# Altium PCB module_base.PcbDoc (part 2 of 4)
Units mil, origin at the board's own origin, x right, y up, seen from the top; angles counter-clockwise.
Board outline 3464.57 x 2795.28 mil, 4 copper layers (Top Layer, L2_GND, L3_PWR, Bottom Layer), stack 61.811 mil thick; 147 components, 144 nets, 753 pads, 600 vias.
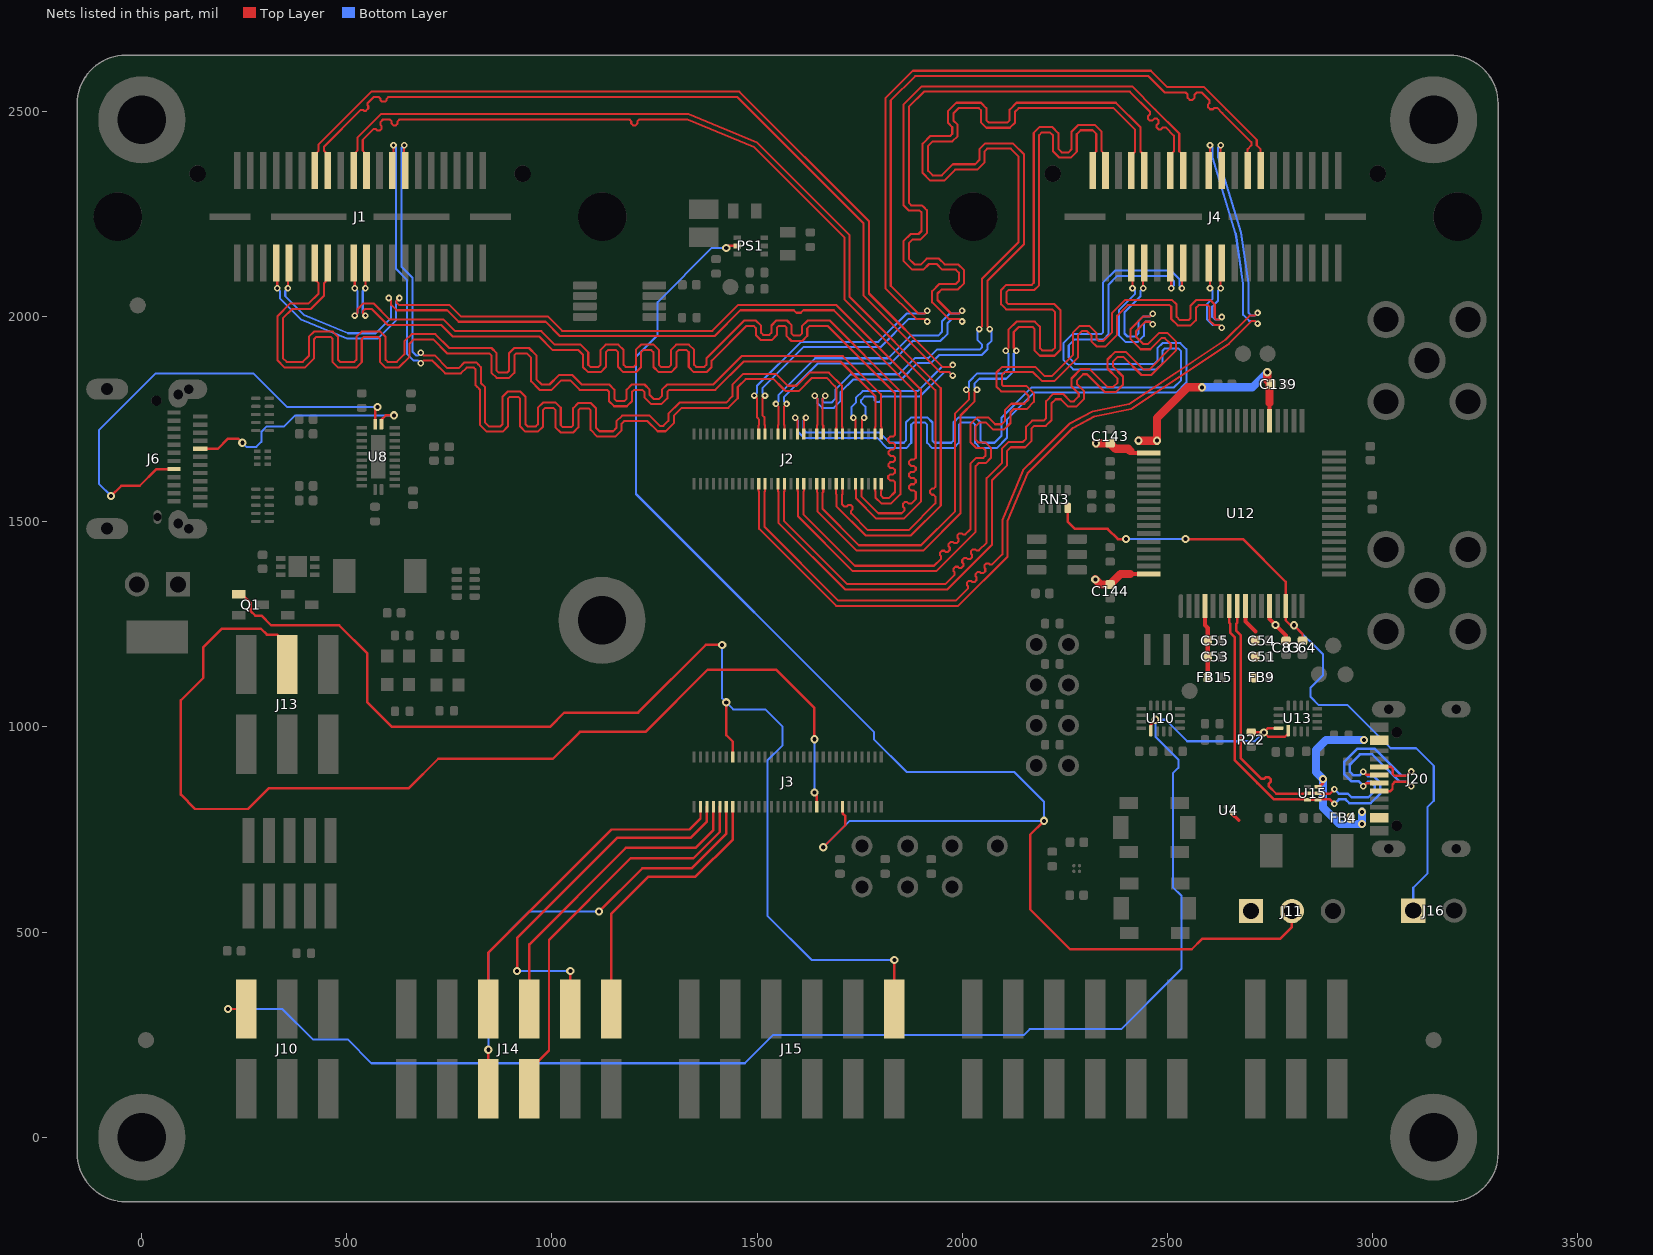
[diagram p4: the nets of this part, all layers, seen from the top]

## Via types
v1: diameter 20, hole 10, Top Layer to Bottom Layer, 431 vias
v2: diameter 16, hole 8, Top Layer to Bottom Layer, 129 vias
v3: diameter 30, hole 15, Top Layer to Bottom Layer, 40 vias

## Nets (pads, with @x,y where several pads share a name; then routed paths per layer and width w, separated by ;. In a path a pad name is that pad's centre, name@x,y a point inside that pad or via, vN(x,y) a via of type N, cw(c..) or ccw(c..) an arc to the next point about the centre after c; other vN are vias at no path point) (continued)
AON_OUT_5V: J11.1 U4.A1 | length 23.2
  Top Layer w9: U4.A1@2658.1,789.08 2674.53,772.65
CC1: J6.A5 U8.11 | length 584
  Top Layer w6: J6.A5@141.83,1678.15 185.04,1678.14 210,1703.1 235,1703.1 v1(245,1693.1) ; U8.11@584.3,1738.19 584.3,1749.33 594.8,1759.83 v1(615,1759.83)
  Bottom Layer w5: v1(245,1693.1) 255,1683.11 279.3,1683.11 291.2,1695.01 291.2,1719.31 305,1733.11 347,1733.11 373.73,1759.84 v1(615,1759.83)
CC2: J6.B5 U8.12 | length 1169.9
  Top Layer w6: v1(-75,1563.1) -50,1588.1 -5,1588.1 35.82,1628.93 J6.B5@78.84,1628.94 ; U8.12@568.55,1738.19 568.55,1773.58 v1(574.8,1779.83)
  Bottom Layer w5: v1(-75,1563.1) -105,1593.11 -105,1723.82 33.54,1862.36 272.09,1862.36 354.61,1779.84 v1(574.8,1779.83)
CLK_2: J3.40 J13.4 | length 2652.5
  Top Layer w6: J13.4@354.8,1152.32 354.8,1200.2 330,1225 305,1225 290,1240 195,1240 150,1195 150,1120 95,1065 95,835 130,800 259.05,800 310.16,851.11 651.43,851.11 722.67,922.35 1002.34,922.35 1068,988.01 1228,988.01 1379.79,1139.79 1546.21,1139.79 1640,1046 v1(1640,970) ; v1(1640,840) 1645.67,834.33 J3.40@1645.67,805.51
  Bottom Layer w5: v1(1640,840) v1(1640,970)
DEBUG_PVUSB: FB4.1 J20.A4-B9 J20.B4-A9 U15.6 | length 442.6
  Top Layer w7.66: U15.6@2867.8,853.86 2870.74,853.85 2880,863.11 v1(2880,873.11)
  Bottom Layer w20: v1(2975,793.11) v1(2975,763.11) 2920,763.11 2880,803.11 v1(2880,873.11) 2863,890.11 2863,944.11 2887,968.11 v1(2980,968.11)
DEBUG_USB_N: J20.A7 J20.B7 U12.7 U15.3 U15.4 | length 1269.4
  Top Layer w6: U12.7@2651.4,1294.73 2651.4,1254.52 2654.24,1251.68 2654.24,1229.07 2665,1218.31 2665,918.29 2720.01,863.29 2760.08,823.23 2841.33,823.23 U15.3@2842.2,822.36 U15.4@2867.8,822.36 ; U15.4@2867.8,822.36 2868.67,823.23 2896.94,823.23 v2(2907.94,812.23) ; v2(2978,891.11) 2986.16,882.95 J20.A7@3017.53,882.95 ; J20.B7@3017.53,843.58 3044.47,843.57 3049.5,848.61 3049.5,860.11 3056,866.61 3084,866.61 v2(3095,855.61)
  Bottom Layer w6: v2(2907.94,812.23) 2918.94,823.24 2935.07,823.24 2944.2,814.11 2996,814.11 3020,838.11 3020,863.39 3003.28,880.11 2989,880.11 v2(2978,891.11) 2968.7,881.81 2954.73,881.81 2945.62,890.91 2945.62,908.73 2970,933.11 3000.2,933.11 3066.7,866.61 3084,866.61 v2(3095,855.61)
DEBUG_USB_P: J20.A6 J20.B6 U12.8 U15.2 U15.5 | length 1269.1
  Top Layer w6: U12.8@2671.09,1294.73 2671.08,1254.52 2668.24,1251.68 2668.24,1234.86 2679,1224.1 2679,924.09 2729.91,873.19 2736.54,873.19 2740.91,877.56 2747.54,877.56 2752.22,872.88 2752.22,866.25 2747.86,861.88 2747.86,855.25 2765.88,837.23 2841.33,837.23 U15.2@2842.2,838.11 U15.5@2867.8,838.11 2868.67,837.23 2896.94,837.23 v2(2907.94,848.23) ; v2(2978,855.11) 2986.16,863.26 J20.A6@3017.53,863.27 ; J20.B6@3017.53,902.64 3045.47,902.64 3050,898.1 3050,885.6 3055,880.61 3084,880.61 v2(3095,891.61)
  Bottom Layer w6: v2(2907.94,848.23) 2918.94,837.24 2940.87,837.24 2950,828.11 2990.2,828.11 3006,843.91 3006,857.59 2997.48,866.11 2989,866.11 v2(2978,855.11) 2978,857.09 2967.78,867.31 2949.43,867.31 2931.62,885.11 2931.62,914.53 2964.2,947.11 3006,947.11 3072.5,880.61 3084,880.61 v2(3095,891.61)
DIFF0_N: J2.23 J4.28 | length 2274.9
  Top Layer w5: v2(1519.5,1808.1) 1513,1801.6 1513,1760.1 1518.3,1754.8 1518.3,1736.82 1519.68,1735.45 J2.23@1519.68,1714.17 ; v2(1915,1988.6) 1908.5,1995.1 1887.99,1995.1 1813,2070.15 1813,2533 1880,2600 2460,2600 2490,2570 2500,2560 2590,2560 2643.97,2506.04 2718.51,2431.5 2718.51,2418.33 2727.76,2409.08 J4.28@2727.76,2356.89
  Bottom Layer w5: v2(1519.5,1808.1) 1513,1814.61 1513,1826.11 1612.89,1926 1801,1926 1870.11,1995.11 1908.5,1995.11 v2(1915,1988.6)
DIFF0_P: J2.21 J4.26 | length 2273.7
  Top Layer w5: v2(1493.5,1808.1) 1500,1801.6 1500,1754.72 1505.3,1749.42 1505.3,1736.82 1503.93,1735.45 J2.21@1503.94,1714.17 ; v2(1915,2014.6) 1908.5,2008.1 1893.38,2008.1 1826,2075.53 1826,2527.62 1885.39,2587 2454.61,2587 2476.21,2565.4 2494.61,2547 2544.83,2547 2549.81,2542.03 2549.81,2533.98 2554.79,2529 2561.83,2529 2566.81,2533.98 2566.81,2542.03 2571.79,2547 2584.62,2547 2603.18,2528.44 2603.18,2521.4 2599.92,2518.13 2599.92,2511.09 2604.9,2506.11 2611.94,2506.11 2615.21,2509.38 2622.25,2509.37 2634.77,2496.85 2705.51,2426.11 2705.51,2418.33 2696.26,2409.08 J4.26@2696.26,2356.89
  Bottom Layer w5: v2(1493.5,1808.1) 1500,1814.61 1500,1831.5 1607.51,1939 1795.62,1939 1864.73,2008.11 1908.5,2008.11 v2(1915,2014.6)
DIFF1_N: J2.24 J4.22 | length 2276.3
  Top Layer w5: J2.24@1519.68,1592.91 1519.68,1574.79 1518.3,1573.41 1518.3,1488.18 1698.38,1308.1 1985,1308.1 2013.98,1337.09 2013.98,1343.3 2011.7,1345.59 2011.7,1351.8 2016.09,1356.2 2022.3,1356.2 2024.59,1353.91 2030.8,1353.91 2035.2,1358.3 2035.2,1364.52 2032.91,1366.8 2032.91,1373.02 2037.3,1377.41 2043.52,1377.41 2045.8,1375.12 2052.02,1375.12 2056.41,1379.52 2056.41,1385.73 2054.12,1388.02 2054.12,1394.23 2058.52,1398.62 2064.73,1398.62 2067.02,1396.34 2073.24,1396.34 2098,1421.11 2098,1504.55 2148.09,1625.48 2175.36,1652.75 2262.53,1739.93 2317.85,1769.5 2407.39,1787.31 2642.19,1944.2 2701.1,2003.1 2714,2003.1 v2(2720.5,2009.6) ; v2(2630.51,2418.18) 2630.51,2359.64 J4.22@2633.27,2356.89
  Bottom Layer w5: v2(2630.51,2418.18) 2624.01,2411.68 2624.01,2389.9 2679.95,2205.49 2698.29,2081.86 2698.29,2010.1 2705.32,2003.06 2713.96,2003.06 v2(2720.5,2009.6)
DIFF1_P: J2.22 J4.20 | length 2278.6
  Top Layer w5: J2.22@1503.94,1592.91 1503.93,1575.18 1505.3,1573.8 1505.3,1482.8 1693,1295.1 1990.38,1295.1 2111,1415.72 2111,1501.96 2159.11,1618.12 2241.09,1700.1 2270.36,1729.37 2322.28,1757.12 2412.46,1775.06 2650.48,1934.1 2706.48,1990.1 2714,1990.1 v2(2720.5,1983.6) ; J4.20@2601.78,2356.89 2604.51,2359.62 v2(2604.51,2418.18)
  Bottom Layer w5: v2(2604.51,2418.18) 2611.01,2411.68 2611.01,2387.97 2667.23,2202.64 2685.29,2080.9 2685.29,2004.71 2699.94,1990.06 2714.04,1990.06 v2(2720.5,1983.6)
DIFF2_N: J2.29 J4.16 | length 2276.7
  Top Layer w5: J2.29@1566.93,1714.17 1566.93,1735.45 1565.55,1736.82 1565.55,1781.07 v2(1572.05,1787.57) ; v2(2000,1988.6) 1993.5,1995.1 1967.52,1995.1 1927,2035.62 1927,2062.39 1944.62,2080 1984.62,2080 1992,2087.39 1992,2107.72 1984.62,2115.1 1951.9,2115.1 1938.19,2128.81 1919.19,2128.81 1905.49,2115.1 1878.52,2115.1 1857,2136.64 1857,2184.39 1874.62,2202 1893.62,2202 1901,2209.38 1901,2254.62 1896.62,2259 1870.58,2259 1857,2272.58 1857,2517.38 1901.62,2562 2414.48,2562 2471.06,2505.43 2529.53,2446.96 2529.53,2403.58 2538.78,2394.33 J4.16@2538.78,2356.89
  Bottom Layer w5: v2(1572.05,1787.57) 1565.55,1794.07 1565.55,1804.17 1647.38,1886 1825,1886 1880,1941 1947,1941 1964,1958 1964,1983.73 1975.38,1995.11 1993.5,1995.11 v2(2000,1988.6)
DIFF2_P: J2.27 J4.14 | length 2275.2
  Top Layer w5: v2(1546.05,1787.57) 1552.55,1781.07 1552.55,1736.82 1551.18,1735.45 J2.27@1551.18,1714.17 ; v2(2000,2014.6) 1993.5,2008.1 1972.9,2008.1 1940,2041 1940,2057 1950,2067 1990,2067 2005,2082 2005,2113.1 1990,2128.1 1957.28,2128.1 1943.58,2141.81 1913.81,2141.81 1900.11,2128.1 1883.9,2128.1 1870,2142.02 1870,2179 1880,2189 1899,2189 1914,2204 1914,2260 1905.81,2268.19 1902,2272 1875.96,2272 1870,2277.96 1870,2512 1907,2549 2409.1,2549 2458.06,2500.04 2458.06,2493.83 2453.28,2489.04 2453.28,2482.83 2457.67,2478.43 2463.88,2478.43 2468.67,2483.22 2474.88,2483.22 2479.28,2478.83 2479.28,2472.62 2474.49,2467.83 2474.49,2461.62 2478.88,2457.22 2485.1,2457.22 2489.88,2462.01 2496.1,2462.01 2516.53,2441.58 2516.53,2403.64 2507.28,2394.39 J4.14@2507.29,2356.89
  Bottom Layer w5: v2(1546.05,1787.57) 1552.55,1794.07 1552.55,1809.55 1642,1899 1819.62,1899 1874.62,1954 1941.62,1954 1951,1963.39 1951,1989.11 1970,2008.11 1993.5,2008.11 v2(2000,2014.6)
DIFF3_N: J2.30 J4.09 | length 2274.1
  Top Layer w5: J2.30@1566.93,1592.91 1566.93,1575.04 1565.56,1573.66 1565.56,1502.54 1720,1348.1 1958.6,1348.1 1981.71,1371.22 1981.71,1377.43 1979.12,1380.02 1979.12,1386.23 1983.52,1390.62 1989.73,1390.62 1992.32,1388.04 1998.53,1388.04 2002.92,1392.43 2002.92,1398.65 2000.34,1401.23 2000.34,1407.44 2004.73,1411.84 2010.94,1411.84 2013.53,1409.25 2019.74,1409.25 2024.14,1413.65 2024.14,1419.86 2021.55,1422.44 2021.55,1428.66 2025.94,1433.05 2032.16,1433.05 2034.74,1430.47 2040.97,1430.47 2060,1449.51 2060,1606.49 2097,1643.49 2097,1678.39 2113.62,1695 2148.51,1695 2156,1702.49 2156,1732.39 2170.62,1747 2198.62,1747 2205,1753.39 2205,1794.39 2222.62,1812 2246,1812 2264,1794 2272.62,1794 2284.5,1805.89 2284.5,1813.12 2266.69,1830.93 2266.69,1849.7 2289.95,1872.95 2310.05,1872.95 2353.81,1829.2 2368.81,1829.2 2379.39,1839.78 2379.39,1849.23 2354.47,1874.15 2354.47,1895.86 2373.4,1914.79 2399.19,1914.79 2442.75,1871.27 2455.88,1871.27 2508.81,1924.2 2508.81,1933.81 2494.62,1948 2486,1948 2459,1921 2435.62,1921 2411,1945.62 2411,1970.39 2441.58,2000.96 2458.36,2000.96 v2(2465,2007.6) ; v2(2441.55,2070) 2441.55,2128.56 J4.09@2444.29,2131.3
  Bottom Layer w5: v2(2441.55,2070) 2435.05,2063.5 2435.05,2050.62 2396,2011.57 2396,1959.39 2403.38,1952 2423,1952 2430,1959 2430,1989 2442.11,2001.11 2458.5,2001.11 v2(2465,2007.6)
DIFF3_P: J2.28 J4.07 | length 2273.3
  Top Layer w5: J2.28@1551.18,1592.91 1551.18,1574.91 1552.56,1573.54 1552.56,1497.16 1714.61,1335.1 1963.98,1335.1 2073,1444.12 2073,1601.11 2110,1638.11 2110,1673 2119,1682 2153.89,1682 2169,1697.11 2169,1727 2176,1734 2204,1734 2218,1748 2218,1789 2228,1799 2240.62,1799 2258.62,1781 2278,1781 2297.5,1800.5 2297.5,1818.5 2279.69,1836.31 2279.69,1844.31 2295.33,1859.95 2304.67,1859.95 2348.42,1816.2 2374.19,1816.2 2392.39,1834.39 2392.39,1854.62 2367.47,1879.53 2367.47,1890.48 2378.79,1901.79 2393.81,1901.79 2437.37,1858.27 2461.26,1858.27 2521.81,1918.81 2521.81,1939.2 2500,1961 2480.62,1961 2453.62,1934 2441,1934 2424,1951 2424,1965 2446.96,1987.96 2458.64,1987.96 v2(2465,1981.6) ; J4.07@2412.8,2131.3 2415.55,2128.54 v2(2415.55,2070)
  Bottom Layer w5: v2(2415.55,2070) 2422.05,2063.5 2422.05,2056 2383,2016.95 2383,1954 2398,1939 2428.38,1939 2443,1953.62 2443,1983.62 2447.49,1988.11 2458.5,1988.11 v2(2465,1981.6)
DIFF4_N: J2.35 J4.15 | length 2275.9
  Top Layer w5: J2.35@1614.17,1714.17 1614.17,1748.48 v2(1619.29,1753.6) ; v2(2536.04,2070) 2536.04,2128.56 J4.15@2538.78,2131.3
  Bottom Layer w5: v2(1619.29,1753.6) 1612.79,1747.11 1612.79,1725.31 1619.99,1718.11 1798.27,1718.11 1823.38,1693 1858,1693 1863,1698 1863,1742.39 1875.62,1755 1915.11,1755 1927.73,1742.39 1927.73,1698 1932.73,1693 1974,1693 1979,1698 1979,1742.39 1991.62,1755 2032.38,1755 2045,1742.39 2045,1698 2050,1693 2079,1693 2096,1710 2096,1754.39 2169.62,1828 2516.62,1828 2534,1845.39 2534,1915.62 2526.62,1923 2494,1923 2489,1918 2489,1887 2474,1872 2270.61,1872 2247,1895.62 2247,1936 2269,1958 2339.62,1958 2344,1962.39 2344,2084 2373,2113 2509,2113 2530,2092 2530,2076.04 v2(2536.04,2070)
DIFF4_P: J2.33 J4.13 | length 2276.3
  Top Layer w5: v2(1593.29,1753.6) 1598.42,1748.47 J2.33@1598.43,1714.17 ; J4.13@2507.29,2131.3 2510.04,2128.54 v2(2510.04,2070)
  Bottom Layer w5: v2(1593.29,1753.6) 1599.79,1747.11 1599.79,1719.93 1607.19,1712.53 1614.61,1705.11 1792.89,1705.11 1818,1680 1863.38,1680 1876,1692.62 1876,1737 1881,1742 1909.73,1742 1914.73,1737 1914.73,1692.62 1927.34,1680 1979.38,1680 1992,1692.62 1992,1737 1997,1742 2027,1742 2032,1737 2032,1692.62 2044.62,1680 2084.38,1680 2109,1704.62 2109,1749 2175,1815 2522,1815 2547,1840 2547,1921 2532,1936 2488.62,1936 2476,1923.39 2476,1892.39 2468.62,1885 2276,1885 2260,1901 2260,1930.62 2274.39,1945 2345,1945 2357,1957 2357,2078.62 2378.38,2100 2503.62,2100 2517,2086.62 2517,2076.96 v2(2510.04,2070)
DIFF5_N: J2.36 J4.21 | length 2277.2
  Top Layer w5: J2.36@1614.17,1592.91 1614.17,1575.26 1612.79,1573.89 1612.79,1518.7 1738.38,1393.1 1931.61,1393.1 1948.73,1410.22 1948.73,1416.44 1946.14,1419.03 1946.14,1425.24 1950.53,1429.64 1956.74,1429.64 1959.34,1427.04 1965.55,1427.04 1969.95,1431.44 1969.95,1437.65 1967.35,1440.24 1967.35,1446.46 1971.75,1450.85 1977.96,1450.85 1980.55,1448.26 1986.77,1448.26 1991.16,1452.65 1991.16,1458.86 1988.56,1461.46 1988.56,1467.67 1992.96,1472.06 1999.17,1472.06 2001.77,1469.47 2007.98,1469.47 2020,1481.49 2020,1641.49 2034.61,1656.1 2052,1656.1 2057,1661.1 2057,1675.1 2052,1680.1 2034.61,1680.1 2020,1694.72 2020,1738.38 2036.62,1755 2064,1755 2080.9,1738.1 2096.61,1738.1 2105,1746.49 2105,1773.1 2120,1788.1 2151.9,1788.1 2162,1798.2 2162,1808 2151.9,1818.1 2095.52,1818.1 2084,1829.62 2084,1864.39 2097.71,1878.1 2178.38,1878.1 2200.38,1856.1 2219.61,1856.1 2270,1906.49 2270,1961.49 2286.61,1978.1 2310,1978.1 2328,1960.1 2328,1946.1 2330.5,1943.6 2333,1941.1 2344.62,1941.1 2365,1961.49 2365,2008.38 2398.15,2041.53 2511.47,2041.53 2523,2030 2523,2000 2531,1992 2552,1992 2557,1997 2557,2027 2571.53,2041.53 2604.47,2041.53 2616,2030 2616,1997 2619.87,1993.13 2626.53,1993.13 v2(2633,1999.6) ; v2(2630.53,2070) 2630.53,2128.56 J4.21@2633.27,2131.3
  Bottom Layer w5: v2(2630.53,2070) 2624.03,2063.5 2624.03,2039.03 2610,2025 2610,2000 2616.9,1993.1 2626.5,1993.1 v2(2633,1999.6)
DIFF5_P: J2.34 J4.19 | length 2276.4
  Top Layer w5: J2.34@1598.43,1592.91 1598.42,1575.68 1599.79,1574.31 1599.79,1513.31 1733,1380.1 1937,1380.1 2033,1476.1 2033,1636.1 2040,1643.1 2057.38,1643.1 2070,1655.72 2070,1680.49 2057.38,1693.1 2040,1693.1 2033,1700.1 2033,1733 2042,1742 2058.62,1742 2075.51,1725.1 2102,1725.1 2118,1741.1 2118,1767.72 2125.38,1775.1 2157.28,1775.1 2175,1792.82 2175,1813.39 2157.28,1831.1 2100.9,1831.1 2097,1835.01 2097,1859.01 2103.1,1865.1 2173,1865.1 2195,1843.1 2225,1843.1 2283,1901.1 2283,1956.1 2292,1965.1 2304.61,1965.1 2315,1954.72 2315,1940.72 2327.61,1928.1 2350,1928.1 2378,1956.1 2378,2003 2403.53,2028.53 2506.09,2028.53 2510,2024.62 2510,1994.62 2525.62,1979 2557.38,1979 2570,1991.62 2570,2021.62 2576.91,2028.53 2599.09,2028.53 2603,2024.62 2603,1991.62 2614.49,1980.13 2626.47,1980.13 v2(2633,1973.6) ; J4.19@2601.78,2131.3 2604.53,2128.54 v2(2604.53,2070)
  Bottom Layer w5: v2(2604.53,2070) 2611.03,2063.5 2611.03,2044.42 2597,2030.39 2597,1994.62 2611.52,1980.1 2626.5,1980.1 v2(2633,1973.6)
DIFF6_N: J2.41 J4.10 | length 2276.6
  Top Layer w5: J2.41@1661.42,1714.17 1661.42,1735.45 1660.04,1736.82 1660.04,1801.07 v2(1666.54,1807.57) ; v2(2041.67,1970.1) 2049,1977.43 2049,2093.39 2138,2182.39 2138,2390.62 2118.62,2410 2061.38,2410 2055,2403.62 2055,2377 2037,2359 1983,2359 1956,2332 1922.62,2332 1904,2350.62 1904,2422.39 1922.62,2441 1971,2441 1976,2446 1976,2462.62 1966,2472.62 1966,2502.12 1985.88,2522 2046,2522 2059.38,2508.62 2059.38,2479.01 2064.38,2474 2111,2474 2116,2479 2116,2505.39 2132.62,2522 2375,2522 2435.04,2461.96 2435.04,2403.07 2444.29,2393.83 J4.10@2444.29,2356.89
  Bottom Layer w5: v2(1666.54,1807.57) 1660.04,1801.07 1660.04,1795.35 1664.38,1791 1681.62,1791 1691,1800.39 1691,1822.39 1728.62,1860 1845.62,1860 1885.62,1900 1918.62,1900 1938.62,1920 2042.62,1920 2049,1926.39 2049,1932 2038,1943 2038,1966.43 v2(2041.67,1970.1)
DIFF6_P: J2.39 J4.08 | length 2275.8
  Top Layer w5: v2(1640.54,1807.57) 1647.04,1801.07 1647.04,1736.82 1645.67,1735.45 J2.39@1645.67,1714.17 ; v2(2067.67,1970.1) 2062,1975.77 2062,2088 2151,2177 2151,2396 2124,2423 2056,2423 2042,2409 2042,2382.39 2031.61,2372 1977.62,2372 1950.62,2345 1928,2345 1917,2356 1917,2417 1928,2428 1976.38,2428 1989,2440.62 1989,2468 1979,2478 1979,2496.74 1991.27,2509 2040.62,2509 2046.38,2503.24 2046.38,2473.62 2059,2461 2116.38,2461 2129,2473.62 2129,2500 2138,2509 2369.62,2509 2422.04,2456.58 2422.04,2403.14 2412.8,2393.91 J4.08@2412.8,2356.89
  Bottom Layer w5: v2(1640.54,1807.57) 1647.04,1801.07 1647.04,1789.96 1659,1778 1687,1778 1704,1795 1704,1817 1734,1847 1851,1847 1891,1887 1924,1887 1944,1907 2048,1907 2062,1921 2062,1932 2072,1942 2072,1965.77 v2(2067.67,1970.1)
DIFF7_N: J2.42 J4.04 | length 2277
  Top Layer w5: J2.42@1661.42,1592.91 1661.41,1573.15 1660.04,1571.78 1660.04,1531.45 1748.38,1443.1 1899.72,1443.1 1983,1526.38 1983,1764.83 2017,1798.83 2017,1815.29 v2(2010.29,1822) ; v2(2106.5,1917.1) 2113,1923.6 2113,1968.39 2132.72,1988.1 2177.38,1988.1 2183.69,1981.8 2190,1975.49 2190,1923.1 2195,1918.1 2220,1918.1 2227,1925.1 2227,2011.1 2220,2018.1 2107.61,2018.1 2095,2030.72 2095,2065.49 2107.61,2078.1 2170,2078.1 2174.7,2082.8 2174.7,2448.56 2189.13,2463 2219.37,2463 2234.69,2447.68 2234.69,2409.41 2243,2401.1 2259.61,2401.1 2266.62,2408.12 2266.62,2450.71 2283.91,2468 2323.61,2468 2340.17,2451.44 2340.17,2403.94 2344.24,2399.88 2344.24,2362.46 J4.04@2349.81,2356.89
  Bottom Layer w5: v2(2010.29,1822) 2017,1828.71 2017,1842.39 2036.62,1862 2102,1862 2113,1873 2113,1910.61 v2(2106.5,1917.1)
DIFF7_P: J2.40 J4.02 | length 2276.4
  Top Layer w5: J2.40@1645.67,1592.91 1645.67,1573.34 1647.04,1571.97 1647.04,1526.06 1743,1430.1 1905.1,1430.1 1996,1521 1996,1759.45 2030,1793.45 2030,1815.71 v2(2036.29,1822) ; v2(2132.5,1917.1) 2126,1923.6 2126,1963 2138.1,1975.1 2172,1975.1 2177,1970.1 2177,1917.72 2189.61,1905.1 2225.38,1905.1 2240,1919.72 2240,2016.49 2225.38,2031.1 2113,2031.1 2108,2036.1 2108,2060.1 2113,2065.1 2175.38,2065.1 2187.69,2077.42 2187.69,2443.18 2194.52,2450 2213.99,2450 2221.7,2442.3 2221.7,2404.03 2237.61,2388.11 2265,2388.1 2279.62,2402.73 2279.62,2413.5 2279.62,2445.32 2289.3,2455 2318.23,2455 2327.17,2446.05 2327.17,2403.27 2323.88,2399.99 2323.88,2362.47 J4.02@2318.31,2356.89
  Bottom Layer w5: v2(2036.29,1822) 2030,1828.29 2030,1837 2042,1849 2107.38,1849 2126,1867.62 2126,1910.61 v2(2132.5,1917.1)
DIFF8_N: J1.28 J2.47 | length 2416.1
  Top Layer w5: v2(639.56,2418.18) 639.56,2359.65 J1.28@642.32,2356.89 ; v2(680,1912.6) 686.5,1906.1 713.9,1906.1 745,1875 772.62,1875 786.62,1889 815,1889 820,1884 826.61,1877.39 826.61,1838.61 837,1828.22 837,1742 846,1733 874.4,1733 879.4,1738 879.4,1805.39 892.01,1818 922.78,1818 935.4,1805.39 935.4,1738 940.4,1733 960.4,1733 965.4,1738 965.4,1778.39 978.01,1791 1008.78,1791 1021.4,1778.39 1021.4,1736 1026.4,1731 1046.4,1731 1051.4,1736 1051.4,1777.39 1064.01,1790 1094.78,1790 1107.4,1777.39 1107.4,1729.61 1116,1721 1149,1721 1157,1729 1157,1745 1171,1759 1238,1759 1263,1734 1271.62,1734 1284,1746.38 1284,1764 1311,1791 1424.62,1791 1440,1806.39 1440,1834.39 1466.62,1861 1545.92,1861 1574.93,1832 1596.62,1832 1628.62,1864 1675,1864 1707.28,1831.72 1707.28,1731.82 1708.66,1730.45 J2.47@1708.66,1714.17
  Bottom Layer w5: v2(639.56,2418.18) 633.06,2411.68 633.06,2121.94 660,2095 660,1914.59 668.48,1906.1 673.5,1906.1 v2(680,1912.6)
DIFF8_P: J1.26 J2.45 | length 2416.1
  Top Layer w5: J1.26@610.82,2356.89 613.56,2359.62 v2(613.56,2418.18) ; v2(680,1886.6) 686.5,1893.1 708.52,1893.1 713.5,1888.12 739.62,1862 778,1862 792,1876 809.61,1876 813.61,1872 813.61,1833.23 817.42,1829.42 824,1822.84 824,1736.62 840.62,1720 879.78,1720 892.4,1732.62 892.4,1800 897.4,1805 917.4,1805 922.4,1800 922.4,1732.62 935.01,1720 965.78,1720 978.4,1732.62 978.4,1773 983.4,1778 1003.4,1778 1008.4,1773 1008.4,1730.62 1021.01,1718 1051.78,1718 1064.4,1730.62 1064.4,1772 1069.4,1777 1089.4,1777 1094.4,1772 1094.4,1724.22 1110.62,1708 1154.38,1708 1170,1723.62 1170,1739.62 1176.38,1746 1232.61,1746 1257.62,1721 1277,1721 1297,1741 1297,1758.62 1316.39,1778 1430,1778 1453,1801 1453,1829 1472,1848 1540.54,1848 1562,1826.54 1565.74,1822.81 1569.54,1819 1602,1819 1634,1851 1669.62,1851 1689.81,1830.81 1694.28,1826.34 1694.28,1731.39 1692.91,1730.02 J2.45@1692.91,1714.17
  Bottom Layer w5: v2(613.56,2418.18) 620.06,2411.68 620.06,2116.56 647,2089.62 647,1909.2 663.1,1893.1 673.5,1893.1 v2(680,1886.6)
DIFF9_N: J1.22 J2.48 | length 2536.4
  Top Layer w5: J1.22@547.83,2356.89 547.83,2395.91 538.58,2405.16 538.58,2431.68 564.7,2457.8 570.91,2457.8 574.25,2454.47 580.46,2454.47 584.85,2458.86 584.85,2465.07 581.52,2468.41 581.52,2474.62 588,2481.1 604.47,2481.1 608.86,2476.71 608.86,2471.4 613.25,2467 619.47,2467 623.86,2471.4 623.86,2476.71 628.25,2481.1 1188.97,2481.1 1193.36,2476.71 1193.36,2471.4 1197.76,2467 1203.97,2467 1208.36,2471.4 1208.36,2476.71 1212.76,2481.1 1330.04,2481.1 1493.03,2413.59 1713,2193.62 1713,2042.96 1935,1820.96 1935,1585.55 1930.61,1581.16 1926.39,1581.16 1922,1576.76 1922,1570.55 1926.39,1566.16 1930.61,1566.16 1935,1561.76 1935,1545 1869.74,1479.74 1770.26,1479.74 1729.35,1520.65 1729.35,1526.87 1733.14,1530.65 1733.14,1536.87 1728.74,1541.26 1722.53,1541.26 1718.74,1537.47 1712.53,1537.47 1707.29,1542.72 1707.29,1566.63 1708.66,1568.01 J2.48@1708.66,1592.91
DIFF9_P: J1.20 J2.46 | length 2535.9
  Top Layer w5: J1.20@516.34,2356.89 516.34,2395.91 525.58,2405.16 525.58,2437.07 582.61,2494.1 1332.62,2494.1 1500.39,2424.61 1726,2199 1726,2048.35 1948,1826.35 1948,1539.62 1875.12,1466.74 1764.88,1466.74 1694.29,1537.34 1694.29,1566.63 1692.91,1568.01 J2.46@1692.91,1592.91
DIFF10_N: J1.16 J2.53 | length 2417
  Top Layer w5: J1.16@453.34,2356.89 453.34,2395.91 444.1,2405.16 444.1,2415.1 533.58,2504.59 539.79,2504.59 542.08,2502.3 546.3,2502.3 552,2508 552,2513.59 550.4,2515.19 550.4,2521.41 565,2536 577.39,2536 581.78,2531.61 581.78,2528.4 585.18,2525 593.39,2525 596.78,2528.4 596.78,2531.61 601.18,2536 1451.61,2536 1760,2227.62 1760,2051.61 1946.62,1865 1968.71,1865 v2(1977,1856.71) ; J2.53@1755.91,1714.17 1755.9,1748.48 v2(1761.02,1753.6)
  Bottom Layer w5: v2(1761.02,1753.6) 1764,1756.58 1764,1781 1754,1791 1754,1797 1763,1806 1782.67,1806 1787.07,1801.61 1787.07,1796.4 1791.46,1792 1797.67,1792 1802.07,1796.4 1802.07,1801.61 1806.46,1806 1897.38,1806 1956.38,1865 1968.71,1865 v2(1977,1856.71)
DIFF10_P: J1.14 J2.51 | length 2415.8
  Top Layer w5: J1.14@421.85,2356.89 421.85,2395.91 431.1,2405.16 431.1,2420.49 559.62,2549 1457,2549 1773,2233 1773,2056.99 1952,1878 1972.29,1878 v2(1977,1882.71) ; v2(1735.02,1753.6) 1740.15,1748.47 J2.51@1740.15,1714.17
  Bottom Layer w5: v2(1735.02,1753.6) 1730,1758.62 1730,1780 1741,1791 1741,1802.39 1757.62,1819 1892,1819 1951,1878 1972.29,1878 v2(1977,1882.71)
DIFF11_N: J1.09 J2.54 | length 2418
  Top Layer w5: v2(356.11,2070) 356.11,2128.56 J1.09@358.85,2131.3 ; v2(602.11,2046) 608,2040.11 608,2029.24 621.24,2016 744.5,2016 772.5,1988 984.62,1988 1019.62,1953 1396.38,1953 1459.38,2016 1590,2016 1596,2010 1607,2010 1613,2016 1687.11,2016 1887,1816.11 1887,1656.23 1882.61,1651.84 1875.39,1651.84 1871,1647.44 1871,1641.23 1875.39,1636.84 1882.61,1636.84 1887,1632.44 1887,1626.23 1882.61,1621.84 1875.39,1621.84 1871,1617.44 1871,1611.23 1875.39,1606.84 1882.61,1606.84 1887,1602.44 1887,1596.23 1882.61,1591.84 1875.39,1591.84 1871,1587.44 1871,1581.23 1875.39,1576.84 1882.61,1576.84 1887,1572.44 1887,1555.49 1875.98,1544.48 1869.77,1544.48 1866.18,1548.07 1859.96,1548.07 1855.57,1543.68 1855.57,1537.46 1859.16,1533.87 1859.16,1527.66 1852.61,1521.1 1795.89,1521.1 1754.53,1562.48 1754.53,1577.64 1755.9,1579 J2.54@1755.91,1592.91
  Bottom Layer w5: v2(356.11,2070) 349.61,2063.5 349.61,2050.39 395.25,2004.75 503.28,1960 570,1960 607,1997 607,2041.11 v2(602.11,2046)
DIFF11_P: J1.07 J2.52 | length 2418
  Top Layer w5: J1.07@327.36,2131.3 330.11,2128.55 v2(330.11,2070) ; v2(628.11,2046) 621,2038.89 621,2034.63 626.62,2029 749.88,2029 777.88,2001 990,2001 1025,1966 1391,1966 1454,2029 1692.49,2029 1900,1821.49 1900,1550.1 1868.35,1518.46 1858,1508.1 1790.51,1508.1 1741.53,1557.1 1741.53,1576.58 1740.15,1577.95 J2.52@1740.15,1592.91
  Bottom Layer w5: v2(330.11,2070) 336.61,2063.5 336.61,2045.01 387.89,1993.73 500.7,1947 575.38,1947 620,1991.62 620,2037.89 v2(628.11,2046)
DIFF12_N: J1.15 J2.59 | length 2534.9
  Top Layer w5: J1.15@453.34,2131.3 453.34,2091.42 444.09,2082.17 444.09,2051.62 411.47,2019 366.38,2019 344,1996.62 344,1899 353,1890 392.62,1890 407.17,1904.56 407.17,1951.39 419.78,1964 465.55,1964 478.17,1951.39 478.17,1895 483.17,1890 518.17,1890 523.17,1895 523.17,1951.39 535.78,1964 581.55,1964 594.17,1951.39 594.17,1895 599.17,1890 621.62,1890 640,1908.39 640,1940.39 657.62,1958 715.51,1958 749.51,1924 852.67,1924 865.28,1911.39 865.28,1869 870.28,1864 890.28,1864 895.28,1869 895.28,1911.39 907.9,1924 944,1924 962,1906 962,1848 975,1835 994,1835 1017,1858 1050,1858 1073,1835 1139.54,1835 1152.16,1822.39 1152.16,1800 1157.16,1795 1177.16,1795 1182.16,1800 1182.16,1822.39 1194.77,1835 1225.54,1835 1238.16,1822.39 1238.16,1809.34 1247.5,1800 1261.5,1800 1268.16,1806.66 1268.16,1822.39 1280.77,1835 1393,1835 1462.13,1904.14 1708.97,1904.14 1801.77,1811.33 1801.77,1732.81 1803.15,1731.43 J2.59@1803.15,1714.17
DIFF12_P: J1.13 J2.57 | length 2534.9
  Top Layer w5: J1.13@421.85,2131.3 421.84,2090.81 431.09,2081.56 431.09,2057 406.09,2032 361,2032 331,2002 331,1893.62 347.62,1877 398,1877 420.17,1899.17 420.17,1946 425.17,1951 460.17,1951 465.17,1946 465.17,1889.62 477.78,1877 523.55,1877 536.17,1889.62 536.17,1946 541.17,1951 576.17,1951 581.17,1946 581.17,1889.62 593.78,1877 627,1877 653,1903 653,1935 663,1945 710.13,1945 744.13,1911 847.28,1911 852.28,1906 852.28,1863.62 864.9,1851 895.67,1851 908.28,1863.62 908.28,1906 913.28,1911 938.62,1911 949,1900.62 949,1842.62 969.62,1822 999.38,1822 1022.38,1845 1044.62,1845 1067.62,1822 1134.16,1822 1139.16,1817 1139.16,1794.62 1151.77,1782 1182.54,1782 1195.16,1794.62 1195.16,1817 1200.16,1822 1220.16,1822 1225.16,1817 1225.16,1803.96 1242.12,1787 1266.88,1787 1281.16,1801.27 1281.16,1817 1286.16,1822 1398.38,1822 1467.52,1891.14 1703.58,1891.14 1788.77,1805.95 1788.77,1732.41 1787.4,1731.04 J2.57@1787.4,1714.17
DIFF13_N: J1.21 J2.60 | length 2416.2
  Top Layer w5: v2(545.08,2003.1) 539,2009.18 539,2013.62 544.38,2019 560.56,2019 599.56,1980 730.45,1980 758.45,1952 968.62,1952 1001.62,1919 1064.61,1919 1075.47,1908.14 1075.47,1877.62 1088.09,1865 1118.86,1865 1131.47,1877.62 1131.47,1914 1136.47,1919 1156.47,1919 1161.47,1914 1161.47,1877.62 1174.09,1865 1204.86,1865 1217.47,1877.62 1217.47,1914 1222.47,1919 1242.47,1919 1247.47,1914 1247.47,1877.62 1260.09,1865 1290.86,1865 1303.47,1877.62 1303.47,1914 1308.47,1919 1328.47,1919 1333.47,1914 1333.47,1877.62 1346.09,1865 1376.86,1865 1389.47,1877.62 1389.47,1893.09 1474.39,1978 1491.72,1978 1497.17,1972.56 1497.17,1955.62 1509.79,1943 1535.56,1943 1548.17,1955.62 1548.17,1973.45 1552.72,1978 1567.72,1978 1571.44,1974.29 1571.44,1953.62 1584.06,1941 1609.83,1941 1622.44,1953.62 1622.44,1971.72 1628.72,1978 1671.72,1978 1836.34,1813.38 1836.34,1712.26 1831.95,1707.87 1824.39,1707.87 1820,1703.48 1820,1697.26 1824.39,1692.87 1831.95,1692.87 1836.34,1688.48 1836.34,1680.47 1831.95,1676.07 1825.39,1676.07 1821,1671.68 1821,1665.47 1825.39,1661.07 1831.95,1661.07 1836.34,1656.68 1836.34,1650.47 1831.95,1646.07 1825.39,1646.07 1821,1641.68 1821,1635.47 1825.39,1631.07 1831.95,1631.07 1836.34,1626.68 1836.34,1620.47 1831.95,1616.07 1824.39,1616.07 1820,1611.68 1820,1605.47 1824.39,1601.07 1831.95,1601.07 1836.34,1596.68 1836.34,1572.83 1821.61,1558.1 1808.38,1558.1 1801.78,1564.71 1801.78,1574.89 1803.15,1576.25 J2.60@1803.15,1592.91 ; v2(545.09,2070.01) 545.09,2128.57 J1.21@547.83,2131.3
  Bottom Layer w5: v2(545.08,2003.1) 538.58,2009.6 538.58,2022.7 538.59,2063.51 v2(545.09,2070.01)
DIFF13_P: J1.19 J2.58 | length 2417.1
  Top Layer w5: J1.19@516.34,2131.3 519.09,2128.54 v2(519.09,2070.01) ; v2(519.08,2003.1) 526,2010.02 526,2019 539,2032 565.94,2032 604.94,1993 735.83,1993 763.83,1965 974,1965 1007,1932 1070,1932 1088.47,1913.53 1088.47,1883 1093.47,1878 1113.47,1878 1118.47,1883 1118.47,1919.39 1131.09,1932 1161.86,1932 1174.47,1919.39 1174.47,1883 1179.47,1878 1199.47,1878 1204.47,1883 1204.47,1919.39 1217.09,1932 1247.86,1932 1260.47,1919.39 1260.47,1883 1265.47,1878 1285.47,1878 1290.47,1883 1290.47,1919.39 1303.09,1932 1333.86,1932 1346.47,1919.39 1346.47,1883 1351.47,1878 1371.47,1878 1376.47,1883 1376.47,1898.47 1469,1991 1497.11,1991 1510.17,1977.94 1510.17,1961 1515.17,1956 1530.17,1956 1535.17,1961 1535.17,1978.84 1547.34,1991 1573.11,1991 1584.44,1979.67 1584.44,1959 1589.44,1954 1604.44,1954 1609.44,1959 1609.44,1977.11 1623.34,1991 1677.1,1991 1849.34,1818.76 1849.34,1567.45 1827,1545.1 1803,1545.1 1788.78,1559.33 1788.78,1574.33 1787.4,1575.7 J2.58@1787.4,1592.91
  Bottom Layer w5: v2(519.08,2003.1) 525.59,2009.61 525.59,2063.51 v2(519.09,2070.01)
DONE: J3.13 J15.1 Q1.1 | length 2873.6
  Top Layer w6: Q1.1@236.05,1323.7 244.41,1323.7 265,1303.1 265,1283.1 276.55,1271.55 291.55,1271.55 315,1248.1 480.9,1248.1 550,1179.01 550,1060 610,1000 995,1000 1030,1035 1210,1035 1375,1200 v1(1415,1200) ; v1(1425,1060) 1425,980 1440.94,964.06 J3.13@1440.94,926.77 ; J15.1@1834.8,312.32 v1(1834.8,431.83)
  Bottom Layer w5: v1(1415,1200) 1415,1070 v1(1425,1060) 1441.89,1043.11 1520,1043.11 1562.38,1000.73 1562.38,955.49 1525,918.11 1525,540 1633.16,431.84 v1(1834.8,431.83)
EN: J3.48 J11.2 PS1.5 | length 3761.5
  Top Layer w6: v1(1424.99,2168.1) 1430,2173.1 PS1.5@1452.01,2173.11 ; v1(1661.41,706.7) 1715,760.29 1715,783.11 1708.66,789.45 J3.48@1708.66,805.51 ; v1(2200,771.11) 2166.32,737.43 2166.32,555.32 2263.53,458.11 2560,458.11 2585,483.11 2775,483.11 2804.33,512.44 J11.2@2804.33,551.18
  Bottom Layer w5: v1(1424.99,2168.1) 1389.99,2168.1 1257.5,2035.61 1257.5,1955.61 1205,1903.11 1205,1568.11 1785,988.11 1785,970.11 1865,890.11 2127,890.11 2200,817.11 v1(2200,771.11) 1725.82,771.11 v1(1661.41,706.7)
FLASH_SCK: J3.4 J14.7 | length 818.8
  Top Layer w6: J14.7@844.8,312.32 844.8,449.81 1145.01,750 1334.97,750 1362.2,777.23 J3.4@1362.2,805.51
FLASH_SIO0: J3.6 J14.3 | length 919.6
  Top Layer w6: v1(915,404.7) 915,485.01 1160.01,730 1338.9,730 1377.95,769.05 J3.6@1377.95,805.51 ; J14.3@1044.8,312.32 v1(1044.8,404.7)
  Bottom Layer w5: v1(915,404.7) v1(1044.8,404.7)
FLASH_SIO1: J3.8 J14.5 | length 778.7
  Top Layer w6: J14.5@944.8,312.32 944.8,469.8 1180,705 1349.95,705 1393.7,748.73 J3.8@1393.7,805.51
FLASH_SIO2: J3.10 J14.6 | length 970.3
  Top Layer w6: J14.6@944.8,117.36 944.8,162.91 992.8,210.91 992.8,480.87 1191.93,680 1344.97,680 1409.45,744.48 J3.10@1409.45,805.51
FLASH_SIO3: J3.12 J14.8 | length 1098.4
  Top Layer w6: J14.8@844.8,117.36 v1(844.8,213.01) ; v1(1115,550) 1220,655 1339.97,655 1425.19,740.22 J3.12@1425.2,805.51
  Bottom Layer w5: v1(844.8,213.01) 844.8,449.8 945,550 v1(1115,550)
FLASH_SSN: J3.14 J14.1 | length 683.2
  Top Layer w6: J14.1@1144.8,312.32 1144.8,544.8 1235,635 1349.97,635 1440.94,725.97 J3.14@1440.94,805.51
FT_RSTn: C64.2 J16.1 RN3.4 U12.14 | length 1751.3
  Top Layer w6: RN3.4@2257.42,1533.98 2257.42,1500.68 2275,1483.1 2355,1483.1 2380,1458.1 v1(2400,1458.1) ; v1(2545,1458.1) 2685,1458.1 2789.19,1353.91 U12.14@2789.2,1294.73 2789.19,1259.91 2801,1248.1 v1(2809,1248.1) 2830,1227.1 C64.2@2830,1210.04
  Bottom Layer w5: v1(2400,1458.1) v1(2545,1458.1) ; v1(2809,1248.1) 2880,1177.11 2880,1126.11 2850,1096.11 2850,1073.11 2870,1053.11 2940,1053.11 3045,948.11 3106.89,948.11 3150,905 3150,820 3135,805 3135,643.11 3100,608.11 J16.1@3100,552.23
FT_VDD18: C83.2 C139.2 C143.2 C144.2 U12.12 U12.37 U12.49 U12.64 | length 924.6
  Top Layer w10: 2410,1372.98 U12.64@2455.02,1372.98 ; 2410,1673.1 2414.84,1668.27 U12.49@2455.02,1668.27 ; U12.12@2749.83,1294.73 2749.82,1263.29 v1(2764.5,1248.6) 2790,1223.1 C83.2@2790,1210.04 ; U12.37@2749.83,1746.54 2749.82,1789.83
  Top Layer w20: v1(2430,1698.1) v1(2475,1698.1) 2475,1753.1 2550,1828.1 v1(2585,1828.1) ; v1(2744.18,1864.83) 2744.18,1844.81 C139.2@2753.37,1835.63 2749.82,1832.08 2749.82,1789.83
  Top Layer w20.26: v1(2324.8,1359.83) 2337.08,1347.56 C144.2@2360.92,1347.56 2386.35,1372.98 2410,1372.98 ; v1(2326.34,1691.77) C143.2@2360.92,1691.77 2374.58,1678.1 2405,1678.1 2410,1673.1
  Bottom Layer w20: v1(2585,1828.1) 2707.45,1828.11 v1(2744.18,1864.83)
FT_VPHY: C53.2 C55.2 FB15.1 U12.4 | length 177.2
  Top Layer w10: U12.4@2592.35,1294.73 2592.34,1248.1 2598.99,1241.45 C55.2@2598.99,1210.63 C53.2@2598.99,1170.63 2598.99,1121.41 FB15.1@2598.21,1120.63
FT_VPLL: C51.2 C54.2 FB9.1 U12.9 | length 71.7
  Top Layer w10: U12.9@2690.77,1294.73 2690.77,1257.33 2715,1233.1
FTDI_ENB: J10.5 R22.1 U10.1 U13.1 U13.16 | length 3635.8
  Top Layer w6: v1(210,312.32) J10.5@254.8,312.32 ; U10.1@2460.25,991.1 2460.25,1006.36 v1(2471.5,1017.61) ; R22.1@2705,986.82 v1(2735.66,986.81) ; U13.16@2771.63,997.01 2745.85,997 v1(2735.66,986.81) ; U13.1@2795.25,991.1 2795.25,984.36 2787,976.11 2746.37,976.11 v1(2735.66,986.81)
  Bottom Layer w5: v1(210,312.32) 342.68,312.32 416.89,238.11 501.61,238.11 559.72,180 1470,180 1538.48,248.48 2150,248.48 2164.63,263.11 2387.99,263.11 2514,389.11 2535,410.11 2535,588.11 2514,609.11 2514,886.88 2527.19,900.07 2527.19,920.56 2471.5,976.25 v1(2471.5,1017.61) 2496.5,1017.61 2549,965.11 2713.95,965.11 v1(2735.66,986.81)